# Altium PCB BMYY_PCB_RULER-Pink.PcbDoc (part 2 of 4)
Units mm, origin at the board's own origin, x right, y up, seen from the top; angles counter-clockwise.
Board outline 310.85 x 30 mm, 2 copper layers (Top, Bottom), stack 1.569 mm thick; 49 components, 0 nets, 2684 pads, 0 vias.
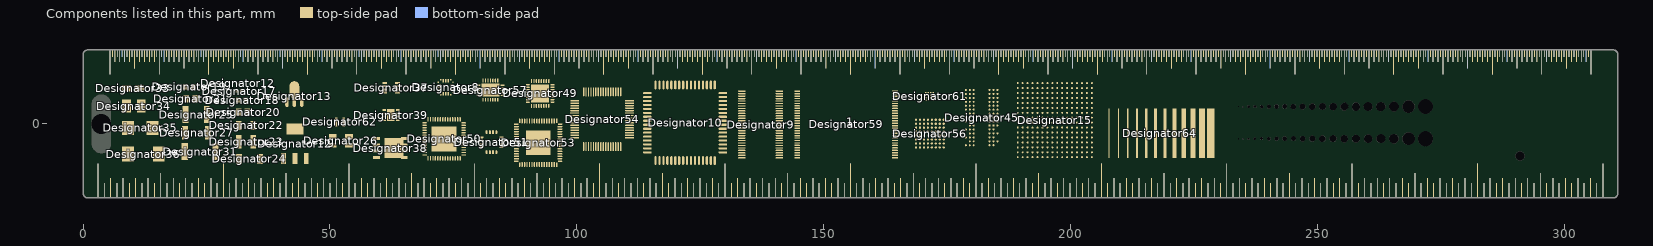
[diagram p2: the components of this part, seen from the top]

## Free pads (board coordinates)
  oval 4x12 hole 4 slot 12 at 90 deg unplated: 0(3.7,0)
  round 0.2 hole 0.2: 23(233.987,3.5)
  round 0.3 hole 0.3: 24(234.948,3.5)
  round 0.5 hole 0.5: 25(236.06,3.5)
  round 0.6 hole 0.6: 25(237.321,3.5)
  round 0.7 hole 0.7: 26(238.682,3.5)
  round 0.8 hole 0.8: 27(240.143,3.5)
  round 0.9 hole 0.9: 28(241.704,3.5)
  round 1 hole 1: 29(243.366,3.5)
  round 1.1 hole 1.1: 30(245.127,3.5)
  round 1.2 hole 1.2: 31(246.988,3.5)
  round 1.3 hole 1.3: 32(248.949,3.5)
  round 2 hole 2: 33(265.478,3.5)
  round 1.9 hole 1.9: 34(262.816,3.5)
  round 1.8 hole 1.8: 35(260.255,3.5)
  round 1.7 hole 1.7: 36(257.794,3.5)
  round 1.6 hole 1.6: 37(255.433,3.5)
  round 1.5 hole 1.5: 38(253.172,3.5)
  round 1.4 hole 1.4: 39(251.01,3.5)
  round 3 hole 3: 40(271.9,3.5)
  round 2.5 hole 2.5: 41(268.439,3.5)
  round 1.9 hole 1.8: 46(291,-6.5)
  round 0.203 hole 0.203: 47(233.987,-3)
  round 0.305 hole 0.305: 47(234.948,-3)
  round 0.406 hole 0.406: 48(236.06,-3)
  round 0.508 hole 0.508: 49(237.321,-3)
  round 0.61 hole 0.61: 50(238.682,-3)
  round 0.711 hole 0.711: 50(240.143,-3)
  round 0.813 hole 0.813: 50(241.704,-3)
  round 0.914 hole 0.914: 50(243.366,-3)
  round 1.016 hole 1.016: 50(245.127,-3)
  round 1.118 hole 1.118: 50(246.988,-3)
  round 1.219 hole 1.219: 50(248.949,-3)
  round 1.321 hole 1.321: 50(251.01,-3)
  round 1.422 hole 1.422: 50(253.172,-3)
  round 1.524 hole 1.524: 50(255.433,-3)
  round 1.626 hole 1.626: 50(257.794,-3)
  round 1.727 hole 1.727: 50(260.255,-3)
  round 1.829 hole 1.829: 50(262.816,-3)
  round 1.93 hole 1.93: 50(265.478,-3)
  round 2.54 hole 2.54: 50(268.439,-3)
  round 3.048 hole 3.048: 50(271.9,-3)

## Nets (pads, with @x,y where several pads share a name; then routed paths per layer and width w, separated by ;. In a path a pad name is that pad's centre, name@x,y a point inside that pad or via, vN(x,y) a via of type N, cw(c..) or ccw(c..) an arc to the next point about the centre after c; other vN are vias at no path point)
pads on no net: 1.201 1.202 1.203 1.204 1.205 1.206 1.207 1.208 1.209 1.210 1.211 1.212 1.213 1.214 1.215 1.216 1.217 1.218 1.219 1.220 1.221 1.222 1.223 1.224 1.225 1.226 1.227 1.228 1.229 1.230 1.231 1.232 1.233 1.234 1.235 1.236 1.237 1.238 1.239 1.240 1.241 1.242 1.243 1.244 1.245 1.246 1.247 1.248 1.249 1.250 1.251 1.252 1.253 1.254 1.255 1.256 1.257 1.258 1.259 1.260 1.261 1.262 1.263 1.264 1.265 1.266 1.267 1.268 1.269 1.270 1.271 1.272 1.273 1.274 1.275 1.276 1.277 1.278 1.279 1.280 1.281 1.282 1.283 1.284 1.285 1.286 1.287 1.288 1.289 1.290 1.291 1.292 1.293 1.294 1.295 1.296 1.297 1.298 1.299 1.300 1.301 1.302 1.303 1.304 1.305 1.306 1.307 1.308 1.309 1.310 1.311 1.312 1.313 1.314 1.315 1.316 1.317 1.318 1.319 1.320 1.321 1.322 1.323 1.324 1.325 1.326 1.327 1.328 1.329 1.330 1.331 1.332 1.333 1.334 1.335 1.336 1.337 1.338 1.339 1.340 1.341 1.362 1.363 1.364 1.365 1.366 1.367 1.368 1.369 1.370 1.371 1.372 1.373 1.374 1.375 1.376 1.377 1.378 1.379 1.380 1.381 1.382 1.383 1.384 1.385 1.386 1.387 1.388 1.389 1.390 1.391 1.392 1.393 1.394 1.395 1.396 1.397 1.398 1.399 1.400 1.401 1.402 1.403 1.404 1.405 1.406 1.407 1.408 1.409 1.410 1.411 1.412 1.413 1.414 1.415 1.416 1.417 1.418 1.419 1.420 1.421 1.422 1.423 1.424 1.425 1.426 1.427 1.428 1.429 1.430 1.431 1.432 1.433 1.434 1.435 1.436 1.437 1.438 1.439 1.440 1.441 1.442 1.443 1.444 1.445 1.446 1.447 1.448 1.449 1.450 1.451 1.452 1.453 1.454 1.455 1.456 1.457 1.458 1.459 1.460 1.461 1.462 1.463 1.464 1.465 1.466 1.467 1.468 1.469 1.470 1.471 1.472 1.473 1.474 1.475 1.476 1.477 1.478 1.479 1.480 1.481 1.482 1.483 1.484 1.485 1.486 1.487 1.488 1.489 1.490 1.491 1.492 1.493 1.494 1.495 1.496 1.497 1.498 1.499 1.500 1.501 1.502 1.503 1.504 1.505 1.506 1.507 1.508 1.509 1.510 1.511 1.512 1.513 1.514 1.515 1.516 1.517 1.518 1.519 1.520 1.521 1.522 1.523 1.524 1.525 1.526 1.527 1.528 1.529 1.530 1.531 1.532 1.563 1.564 1.565 1.566 1.567 1.568 1.569 1.570 1.571 1.572 1.573 1.574 1.575 1.576 1.577 1.578 1.579 1.580 1.581 1.582 1.583 1.584 1.585 1.586 1.587 1.588 1.589 1.590 1.591 1.592 1.593 1.594 1.595 1.596 1.597 1.598 1.599 1.600 1.601 1.602 1.603 1.604 1.605 1.606 1.607 1.608 1.609 1.610 1.611 1.612 1.613 1.614 1.615 1.616 1.617 1.618 1.619 1.620 1.621 1.622 1.623 1.624 1.625 1.626 1.627 1.628 1.629 1.630 1.631 1.632 1.633 1.634 1.635 1.636 1.637 1.638 1.639 1.640 1.641 1.642 1.643 1.644 1.645 1.646 1.647 1.648 1.649 1.650 1.651 1.652 1.653 1.654 1.655 1.656 1.657 1.658 1.659 1.660 1.661 1.662 1.663 1.664 1.665 1.666 1.667 1.668 1.669 1.670 1.671 1.672 1.673 1.674 1.675 1.676 1.677 1.678 1.679 1.680 1.681 1.682 1.683 1.684 1.685 1.686 1.687 1.688 1.689 1.690 1.691 1.692 1.693 1.694 1.695 1.696 1.697 1.698 1.699 1.700 1.701 1.702 1.703 1.704 1.705 1.706 1.707 1.708 1.709 1.710 1.711 1.712 1.713 1.714 1.715 1.716 1.717 1.718 1.719 1.720 1.721 1.722 1.723 1.724 1.725 1.726 1.727 1.728 1.729 1.730 1.731 1.732 ?.201 ?.202 ?.203 ?.204 ?.205 ?.206 ?.207 ?.208 ?.209 ?.210 ?.211 ?.212 ?.213 ?.214 ?.215 ?.216 ?.217 ?.218 ?.219 ?.220 ?.221 ?.222 ?.223 ?.224 ?.225 ?.226 ?.227 ?.228 ?.229 ?.230 ?.231 ?.232 ?.233 ?.234 ?.235 ?.236 ?.237 ?.238 ?.239 ?.240 ?.241 ?.242 ?.243 ?.244 ?.245 ?.246 ?.247 ?.248 ?.249 ?.250 ?.251 ?.252 ?.253 ?.254 ?.255 ?.256 ?.257 ?.258 ?.259 ?.260 ?.261 ?.262 ?.263 ?.264 ?.265 ?.266 ?.267 ?.268 ?.269 ?.270 ?.271 ?.272 ?.273 ?.274 ?.275 ?.276 ?.277 ?.278 ?.279 ?.280 ?.281 ?.282 ?.283 ?.284 ?.285 ?.286 ?.287 ?.288 ?.289 ?.290 ?.291 ?.292 ?.293 ?.294 ?.295 ?.296 ?.297 ?.298 ?.299 ?.300 ?.301 ?.302 ?.303 ?.304 ?.305 ?.306 ?.307 ?.308 ?.309 ?.310 ?.311 ?.312 ?.313 ?.314 ?.315 ?.316 ?.317 ?.318 ?.319 ?.320 ?.321 ?.322 ?.323 ?.324 ?.325 ?.326 ?.327 ?.328 ?.329 ?.330 ?.331 ?.332 ?.333 ?.334 ?.335 ?.336 ?.337 ?.338 ?.339 ?.340 ?.341 ?.362 ?.363 ?.364 ?.365 ?.366 ?.367 ?.368 ?.369 ?.370 ?.371 ?.372 ?.373 ?.374 ?.375 ?.376 ?.377 ?.378 ?.379 ?.380 ?.381 ?.382 ?.383 ?.384 ?.385 ?.386 ?.387 ?.388 ?.389 ?.390 ?.391 ?.392 ?.393 ?.394 ?.395 ?.396 ?.397 ?.398 ?.399 ?.400 ?.401 ?.402 ?.403 ?.404 ?.405 ?.406 ?.407 ?.408 ?.409 ?.410 ?.411 ?.412 ?.413 ?.414 ?.415 ?.416 ?.417 ?.418 ?.419 ?.420 ?.421 ?.422 ?.423 ?.424 ?.425 ?.426 ?.427 ?.428 ?.429 ?.430 ?.431 ?.432 ?.433 ?.434 ?.435 ?.436 ?.437 ?.438 ?.439 ?.440 ?.441 ?.442 ?.443 ?.444 ?.445 ?.446 ?.447 ?.448 ?.449 ?.450 ?.451 ?.452 ?.453 ?.454 ?.455 ?.456 ?.457 ?.458 ?.459 ?.460 ?.461 ?.462 ?.463 ?.464 ?.465 ?.466 ?.467 ?.468 ?.469 ?.470 ?.471 ?.472 ?.473 ?.474 ?.475 ?.476 ?.477 ?.478 ?.479 ?.480 ?.481 ?.482 ?.483 ?.484 ?.485 ?.486 ?.487 ?.488 ?.489 ?.490 ?.491 ?.492 ?.493 ?.494 ?.495 ?.496 ?.497 ?.498 ?.499 ?.500 ?.501 ?.502 ?.503 ?.504 ?.505 ?.506 ?.507 ?.508 ?.509 ?.510 ?.511 ?.512 ?.513 ?.514 ?.515 ?.516 ?.517 ?.518 ?.519 ?.520 ?.521 ?.522 ?.523 ?.524 ?.525 ?.526 ?.527 ?.528 ?.529 ?.530 ?.531 ?.532 ?.563 ?.564 ?.565 ?.566 ?.567 ?.568 ?.569 ?.570 ?.571 ?.572 ?.573 ?.574 ?.575 ?.576 ?.577 ?.578 ?.579 ?.580 ?.581 ?.582 ?.583 ?.584 ?.585 ?.586 ?.587 ?.588 ?.589 ?.590 ?.591 ?.592 ?.593 ?.594 ?.595 ?.596 ?.597 ?.598 ?.599 ?.600 ?.601 ?.602 ?.603 ?.604 ?.605 ?.606 ?.607 ?.608 ?.609 ?.610 ?.611 ?.612 ?.613 ?.614 ?.615 ?.616 ?.617 ?.618 ?.619 ?.620 ?.621 ?.622 ?.623 ?.624 ?.625 ?.626 ?.627 ?.628 ?.629 ?.630 ?.631 ?.632 ?.633 ?.634 ?.635 ?.636 ?.637 ?.638 ?.639 ?.640 ?.641 ?.642 ?.643 ?.644 ?.645 ?.646 ?.647 ?.648 ?.649 ?.650 ?.651 ?.652 ?.653 ?.654 ?.655 ?.656 ?.657 ?.658 ?.659 ?.660 ?.661 ?.662 ?.663 ?.664 ?.665 ?.666 ?.667 ?.668 ?.669 ?.670 ?.671 ?.672 ?.673 ?.674 ?.675 ?.676 ?.677 ?.678 ?.679 ?.680 ?.681 ?.682 ?.683 ?.684 ?.685 ?.686 ?.687 ?.688 ?.689 ?.690 ?.691 ?.692 ?.693 ?.694 ?.695 ?.696 ?.697 ?.698 ?.699 ?.700 ?.701 ?.702 ?.703 ?.704 ?.705 ?.706 ?.707 ?.708 ?.709 ?.710 ?.711 ?.712 ?.713 ?.714 ?.715 ?.716 ?.717 ?.718 ?.719 ?.720 ?.721 ?.722 ?.723 ?.724 ?.725 ?.726 ?.727 ?.728 ?.729 ?.730 ?.731 ?.732 Designator8.1 Designator8.2 Designator8.3 Designator8.4 Designator8.5 Designator8.6 Designator8.7 Designator8.8 Designator8.9 Designator8.10 Designator8.11 Designator8.12 Designator8.13 Designator8.14 Designator8.15 Designator8.16 Designator8.17 Designator8.18 Designator8.19 Designator8.20 Designator9.1 Designator9.2 Designator9.3 Designator9.4 Designator9.5 Designator9.6 Designator9.7 Designator9.8 Designator9.9 Designator9.10 Designator9.11 Designator9.12 Designator9.13 Designator9.14 Designator9.15 Designator9.16 Designator9.17 Designator9.18 Designator9.19 Designator9.20 Designator9.21 Designator9.22 Designator9.23 Designator9.24 Designator9.25 Designator9.26 Designator9.27 Designator9.28 Designator9.29 Designator9.30 Designator9.31 Designator9.32 Designator9.33 Designator9.34 Designator9.35 Designator9.36 Designator9.37 Designator9.38 Designator9.39 Designator9.40 Designator9.41 Designator9.42 Designator9.43 Designator9.44 Designator9.45 Designator9.46 Designator9.47 Designator9.48 Designator9.49 Designator9.50 Designator9.51 Designator9.52 Designator9.53 Designator9.54 Designator9.55 Designator9.56 Designator10.1 Designator10.2 Designator10.3 Designator10.4 Designator10.5 Designator10.6 Designator10.7 Designator10.8 Designator10.9 Designator10.10 Designator10.11 Designator10.12 Designator10.13 Designator10.14 Designator10.15 Designator10.16 Designator10.17 Designator10.18 Designator10.19 Designator10.20 Designator10.21 Designator10.22 Designator10.23 Designator10.24 Designator10.25 Designator10.26 Designator10.27 Designator10.28 Designator10.29 Designator10.30 Designator10.31 Designator10.32 Designator10.33 Designator10.34 Designator10.35 Designator10.36 Designator10.37 Designator10.38 Designator10.39 Designator10.40 Designator10.41 Designator10.42 Designator10.43 Designator10.44 Designator10.45 Designator10.46 Designator10.47 Designator10.48 Designator10.49 Designator10.50 Designator10.51 Designator10.52 Designator10.53 Designator10.54 Designator10.55 Designator10.56 Designator10.57 Designator10.58 Designator10.59 Designator10.60 Designator10.61 Designator10.62 Designator10.63 Designator10.64 Designator12.1 Designator12.2 Designator12.3 Designator13.1 Designator13.2 Designator13.3 Designator15.A1 Designator15.A2 Designator15.A3 Designator15.A4 Designator15.A5 Designator15.A6 Designator15.A7 Designator15.A8 Designator15.A9 Designator15.A10 Designator15.A11 Designator15.A12 Designator15.A13 Designator15.A14 Designator15.A15 Designator15.A16 Designator15.B1 Designator15.B2 Designator15.B3 Designator15.B4 Designator15.B5 Designator15.B6 Designator15.B7 Designator15.B8 Designator15.B9 Designator15.B10 Designator15.B11 Designator15.B12 Designator15.B13 Designator15.B14 Designator15.B15 Designator15.B16 Designator15.C1 Designator15.C2 Designator15.C3 Designator15.C4 Designator15.C5 Designator15.C6 Designator15.C7 Designator15.C8 Designator15.C9 Designator15.C10 Designator15.C11 Designator15.C12 Designator15.C13 Designator15.C14 Designator15.C15 Designator15.C16 Designator15.D1 Designator15.D2 Designator15.D3 Designator15.D4 Designator15.D5 Designator15.D6 Designator15.D7 Designator15.D8 Designator15.D9 Designator15.D10 Designator15.D11 Designator15.D12 Designator15.D13 Designator15.D14 Designator15.D15 Designator15.D16 Designator15.E1 Designator15.E2 Designator15.E3 Designator15.E4 Designator15.E5 Designator15.E6 Designator15.E7 Designator15.E8 Designator15.E9 Designator15.E10 Designator15.E11 Designator15.E12 Designator15.E13 Designator15.E14 Designator15.E15 Designator15.E16 Designator15.F1 Designator15.F2 Designator15.F3 Designator15.F4 Designator15.F5 Designator15.F6 Designator15.F7 Designator15.F8 Designator15.F9 Designator15.F10 Designator15.F11 Designator15.F12 Designator15.F13 Designator15.F14 Designator15.F15 Designator15.F16 Designator15.G1 Designator15.G2 Designator15.G3 Designator15.G4 Designator15.G5 Designator15.G6 Designator15.G7 Designator15.G8 Designator15.G9 Designator15.G10 Designator15.G11 Designator15.G12 Designator15.G13 Designator15.G14 Designator15.G15 Designator15.G16 Designator15.H1 Designator15.H2 Designator15.H3 Designator15.H4 Designator15.H5 Designator15.H6 Designator15.H7 Designator15.H8 Designator15.H9 Designator15.H10 Designator15.H11 Designator15.H12 Designator15.H13 Designator15.H14 Designator15.H15 Designator15.H16 Designator15.J1 Designator15.J2 Designator15.J3 Designator15.J4 Designator15.J5 Designator15.J6 Designator15.J7 Designator15.J8 Designator15.J9 Designator15.J10 Designator15.J11 Designator15.J12 Designator15.J13 Designator15.J14 Designator15.J15 Designator15.J16 Designator15.K1 Designator15.K2 Designator15.K3 Designator15.K4 Designator15.K5 Designator15.K6 Designator15.K7 Designator15.K8 Designator15.K9 Designator15.K10 Designator15.K11 Designator15.K12 Designator15.K13 Designator15.K14 Designator15.K15 Designator15.K16 Designator15.L1 Designator15.L2 Designator15.L3 Designator15.L4 Designator15.L5 Designator15.L6 Designator15.L7 Designator15.L8 Designator15.L9 Designator15.L10 Designator15.L11 Designator15.L12 Designator15.L13 Designator15.L14 Designator15.L15 Designator15.L16 Designator15.M1 Designator15.M2 Designator15.M3 Designator15.M4 Designator15.M5 Designator15.M6 Designator15.M7 Designator15.M8 Designator15.M9 Designator15.M10 Designator15.M11 Designator15.M12 Designator15.M13 Designator15.M14 Designator15.M15 Designator15.M16 Designator15.N1 Designator15.N2 Designator15.N3 Designator15.N4 Designator15.N5 Designator15.N6 Designator15.N7 Designator15.N8 Designator15.N9 Designator15.N10 Designator15.N11 Designator15.N12 Designator15.N13 Designator15.N14 Designator15.N15 Designator15.N16 Designator15.P1 Designator15.P2 Designator15.P3 Designator15.P4 Designator15.P5 Designator15.P6 Designator15.P7 Designator15.P8 Designator15.P9 Designator15.P10 Designator15.P11 Designator15.P12 Designator15.P13 Designator15.P14 Designator15.P15 Designator15.P16 Designator15.R1 Designator15.R2 Designator15.R3 Designator15.R4 Designator15.R5 Designator15.R6 Designator15.R7 Designator15.R8 Designator15.R9 Designator15.R10 Designator15.R11 Designator15.R12 Designator15.R13 Designator15.R14 Designator15.R15 Designator15.R16 Designator15.T1 Designator15.T2 Designator15.T3 Designator15.T4 Designator15.T5 Designator15.T6 Designator15.T7 Designator15.T8 Designator15.T9 Designator15.T10 Designator15.T11 Designator15.T12 Designator15.T13 Designator15.T14 Designator15.T15 Designator15.T16 Designator17.1 Designator17.2 Designator18.1 Designator18.2 Designator19.A Designator19.K Designator20.1 Designator20.2 Designator21.A Designator21.K Designator22.1 Designator22.2 Designator23.1 Designator23.2 Designator24.1 Designator24.2 Designator25.1 Designator25.2 Designator26.1 Designator26.2 Designator26.3 Designator26.4 Designator27.1 Designator27.2 Designator31.1 Designator31.2 Designator33.1 Designator33.2 Designator34.1 Designator34.2 Designator35.1 Designator35.2 Designator36.1 Designator36.2 Designator37.1 Designator37.2 Designator37.3 Designator37.4 Designator37.5 Designator37.6 Designator37.7 Designator37.8 Designator38.0 Designator38.1 Designator38.2 Designator38.3 Designator38.4 Designator38.5 Designator38.6 Designator38.7 Designator38.8 Designator39.0 Designator39.1 Designator39.2 Designator39.3 Designator39.4 Designator39.5 Designator39.6 Designator39.7 Designator39.8 Designator45.A1 Designator45.A2 Designator45.A3 Designator45.A7 Designator45.A8 Designator45.A9 Designator45.B1 Designator45.B2 Designator45.B3 Designator45.B7 Designator45.B8 Designator45.B9 Designator45.C1 Designator45.C2 Designator45.C3 Designator45.C7 Designator45.C8 Designator45.C9 Designator45.D1 Designator45.D2 Designator45.D3 Designator45.D7 Designator45.D8 Designator45.D9 Designator45.E1 Designator45.E2 Designator45.E3 Designator45.E7 Designator45.E8 Designator45.E9 Designator45.F1 Designator45.F2 Designator45.F3 Designator45.F7 Designator45.F8 Designator45.F9 Designator45.G1 Designator45.G2 Designator45.G3 Designator45.G7 Designator45.G8 Designator45.G9 Designator45.H1 Designator45.H2 Designator45.H3 Designator45.H7 Designator45.H8 Designator45.H9 Designator45.J1 Designator45.J2 Designator45.J3 Designator45.J7 Designator45.J8 Designator45.J9 Designator45.K2 Designator45.K3 Designator45.K7 Designator45.K8 Designator45.K9 Designator45.L1 Designator45.L2 Designator45.L3 Designator45.L7 Designator45.L8 Designator45.M2 Designator45.M3 Designator45.M7 Designator45.M8 Designator45.M9 Designator45.N1 Designator45.N2 Designator45.N3 Designator45.N7 Designator45.N8 Designator45.P2 Designator45.P3 Designator45.P7 Designator45.P8 Designator45.P9 Designator45.R1 Designator45.R2 Designator45.R3 Designator45.R7 Designator45.R8 Designator49.0 Designator49.1 Designator49.2 Designator49.3 Designator49.4 Designator49.5 Designator49.6 Designator49.7 Designator49.8 Designator49.9 Designator49.10 Designator49.11 Designator49.12 Designator49.13 Designator49.14 Designator49.15 Designator49.16 Designator49.17 Designator49.18 Designator49.19 Designator49.20 Designator49.21 Designator49.22 Designator49.23 Designator49.24 Designator49.25 Designator49.26 Designator49.27 Designator49.28 Designator49.29 Designator49.30 Designator49.31 Designator49.32 Designator50.0 Designator50.1 Designator50.2 Designator50.3 Designator50.4 Designator50.5 Designator50.6 Designator50.7 Designator50.8 Designator50.9 Designator50.10 Designator50.11 Designator50.12 Designator50.13 Designator50.14 Designator50.15 Designator50.16 Designator50.17 Designator50.18 Designator50.19 Designator50.20 Designator50.21 Designator50.22 Designator50.23 Designator50.24 Designator50.25 Designator50.26 Designator50.27 Designator50.28 Designator50.29 Designator50.30 Designator50.31 Designator50.32 Designator50.33 Designator50.34 Designator50.35 Designator50.36 Designator50.37 Designator50.38 Designator50.39 Designator50.40 Designator50.41 Designator50.42 Designator50.43 Designator50.44 Designator50.45 Designator50.46 Designator50.47 Designator50.48 Designator50.49 Designator50.50 Designator50.51 Designator50.52 Designator50.53 Designator50.54 Designator50.55 Designator50.56 Designator51.1 Designator51.2 Designator51.3 Designator51.4 Designator51.5 Designator51.6 Designator51.7 Designator51.8 Designator51.9 Designator51.10 Designator51.11 Designator51.12 Designator51.13 Designator51.14 Designator51.15 Designator51.16 Designator53.0 Designator53.1 Designator53.2 Designator53.3 Designator53.4 Designator53.5 Designator53.6 Designator53.7 Designator53.8 Designator53.9 Designator53.10 Designator53.11 Designator53.12 Designator53.13 Designator53.14 Designator53.15 Designator53.16 Designator53.17 Designator53.18 Designator53.19 Designator53.20 Designator53.21 Designator53.22 Designator53.23 Designator53.24 Designator53.25 Designator53.26 Designator53.27 Designator53.28 Designator53.29 Designator53.30 Designator53.31 Designator53.32 Designator53.33 Designator53.34 Designator53.35 Designator53.36 Designator53.37 Designator53.38 Designator53.39 Designator53.40 Designator53.41 Designator53.42 Designator53.43 Designator53.44 Designator53.45 Designator53.46 Designator53.47 Designator53.48 Designator53.49 Designator53.50 Designator53.51 Designator53.52 Designator53.53 Designator53.54 Designator53.55 Designator53.56 Designator53.57 Designator53.58 Designator53.59 Designator53.60 Designator53.61 Designator53.62 Designator53.63 Designator53.64 Designator54.1 Designator54.2 Designator54.3 Designator54.4 Designator54.5 Designator54.6 Designator54.7 Designator54.8 Designator54.9 Designator54.10 Designator54.11 Designator54.12 Designator54.13 Designator54.14 Designator54.15 Designator54.16 Designator54.17 Designator54.18 Designator54.19 Designator54.20 Designator54.21 Designator54.22 Designator54.23 Designator54.24 Designator54.25 Designator54.26 Designator54.27 Designator54.28 Designator54.29 Designator54.30 Designator54.31 Designator54.32 Designator54.33 Designator54.34 Designator54.35 Designator54.36 Designator54.37 Designator54.38 Designator54.39 Designator54.40 Designator54.41 Designator54.42 Designator54.43 Designator54.44 Designator54.45 Designator54.46 Designator54.47 Designator54.48 Designator54.49 Designator54.50 Designator54.51 Designator54.52 Designator54.53 Designator54.54 Designator54.55 Designator54.56 Designator54.57 Designator54.58 Designator54.59 Designator54.60 Designator54.61 Designator54.62 Designator54.63 Designator54.64 Designator56.A1 Designator56.A2 Designator56.A3 Designator56.A4 Designator56.A5 Designator56.A6 Designator56.A7 Designator56.A8 Designator56.B1 Designator56.B2 Designator56.B3 Designator56.B4 Designator56.B5 Designator56.B6 Designator56.B7 Designator56.B8 Designator56.C1 Designator56.C2 Designator56.C3 Designator56.C4 Designator56.C5 Designator56.C6 Designator56.C7 Designator56.C8 Designator56.D1 Designator56.D2 Designator56.D3 Designator56.D4 Designator56.D5 Designator56.D6 Designator56.D7 Designator56.D8 Designator56.E1 Designator56.E2 Designator56.E3 Designator56.E4 Designator56.E5 Designator56.E6 Designator56.E7 Designator56.E8 Designator56.F1 Designator56.F2 Designator56.F3 Designator56.F4 Designator56.F5 Designator56.F6 Designator56.F7 Designator56.F8 Designator56.G1 Designator56.G2 Designator56.G3 Designator56.G4 Designator56.G5 Designator56.G6 Designator56.G7 Designator56.G8 Designator56.H1 Designator56.H2 Designator56.H3 Designator56.H4 Designator56.H5 Designator56.H6 Designator56.H7 Designator56.H8 Designator57.0 Designator57.1 Designator57.2 Designator57.3 Designator57.4 Designator57.5 Designator57.6 Designator57.7 Designator57.8 Designator57.9 Designator57.10 Designator57.11 Designator57.12 Designator57.13 Designator57.14 Designator57.15 Designator57.16 Designator57.17 Designator57.18 Designator57.19 Designator57.20 Designator57.21 Designator57.22 Designator57.23 Designator57.24 Designator59.1 Designator59.2 Designator59.3 Designator59.4 Designator59.5 Designator59.6 Designator59.7 Designator59.8 Designator59.9 Designator59.10 Designator59.11 Designator59.12 Designator59.13 Designator59.14 Designator59.15 Designator59.16 Designator59.17 Designator59.18 Designator59.19 Designator59.20 Designator59.21 Designator59.22 Designator59.23 Designator59.24 Designator59.25 Designator59.26 Designator59.27 Designator59.28 Designator59.29 Designator59.30 Designator59.31 Designator59.32 Designator59.33 Designator59.34 Designator59.35 Designator59.36 Designator59.37 Designator59.38 Designator59.39 Designator59.40 Designator59.41 Designator59.42 Designator59.43 Designator59.44 Designator59.45 Designator59.46 Designator59.47 Designator59.48 Designator59.49 Designator59.50 Designator59.51 Designator59.52 Designator59.53 Designator59.54 Designator59.55 Designator59.56 Designator61.A1 Designator61.A2 Designator61.A3 Designator61.A4 Designator61.B1 Designator61.B3 Designator61.B4 Designator61.C1 Designator61.C2 Designator61.C3 Designator61.C4 Designator61.D1 Designator61.D2 Designator61.D4 Designator62.1 Designator62.2 Designator64.1 Designator64.4 Designator64.5 Designator64.6 Designator64.7 Designator64.8 Designator64.9 Designator64.10 Designator64.11 Designator64.12 Designator64.13 Designator64.14